# Altium PCB Carte_Mere_light.PcbDoc (part 2 of 3)
Units mm, origin at the board's own origin, x right, y up, seen from the top; angles counter-clockwise.
Board outline 100 x 70 mm, 4 copper layers (Top Copper, Ground Plane, Power Plane, Bottom Copper), stack 1.57 mm thick; 52 components, 347 nets, 458 pads, 0 vias.
Unrouted connection lines stored in the file: 262.
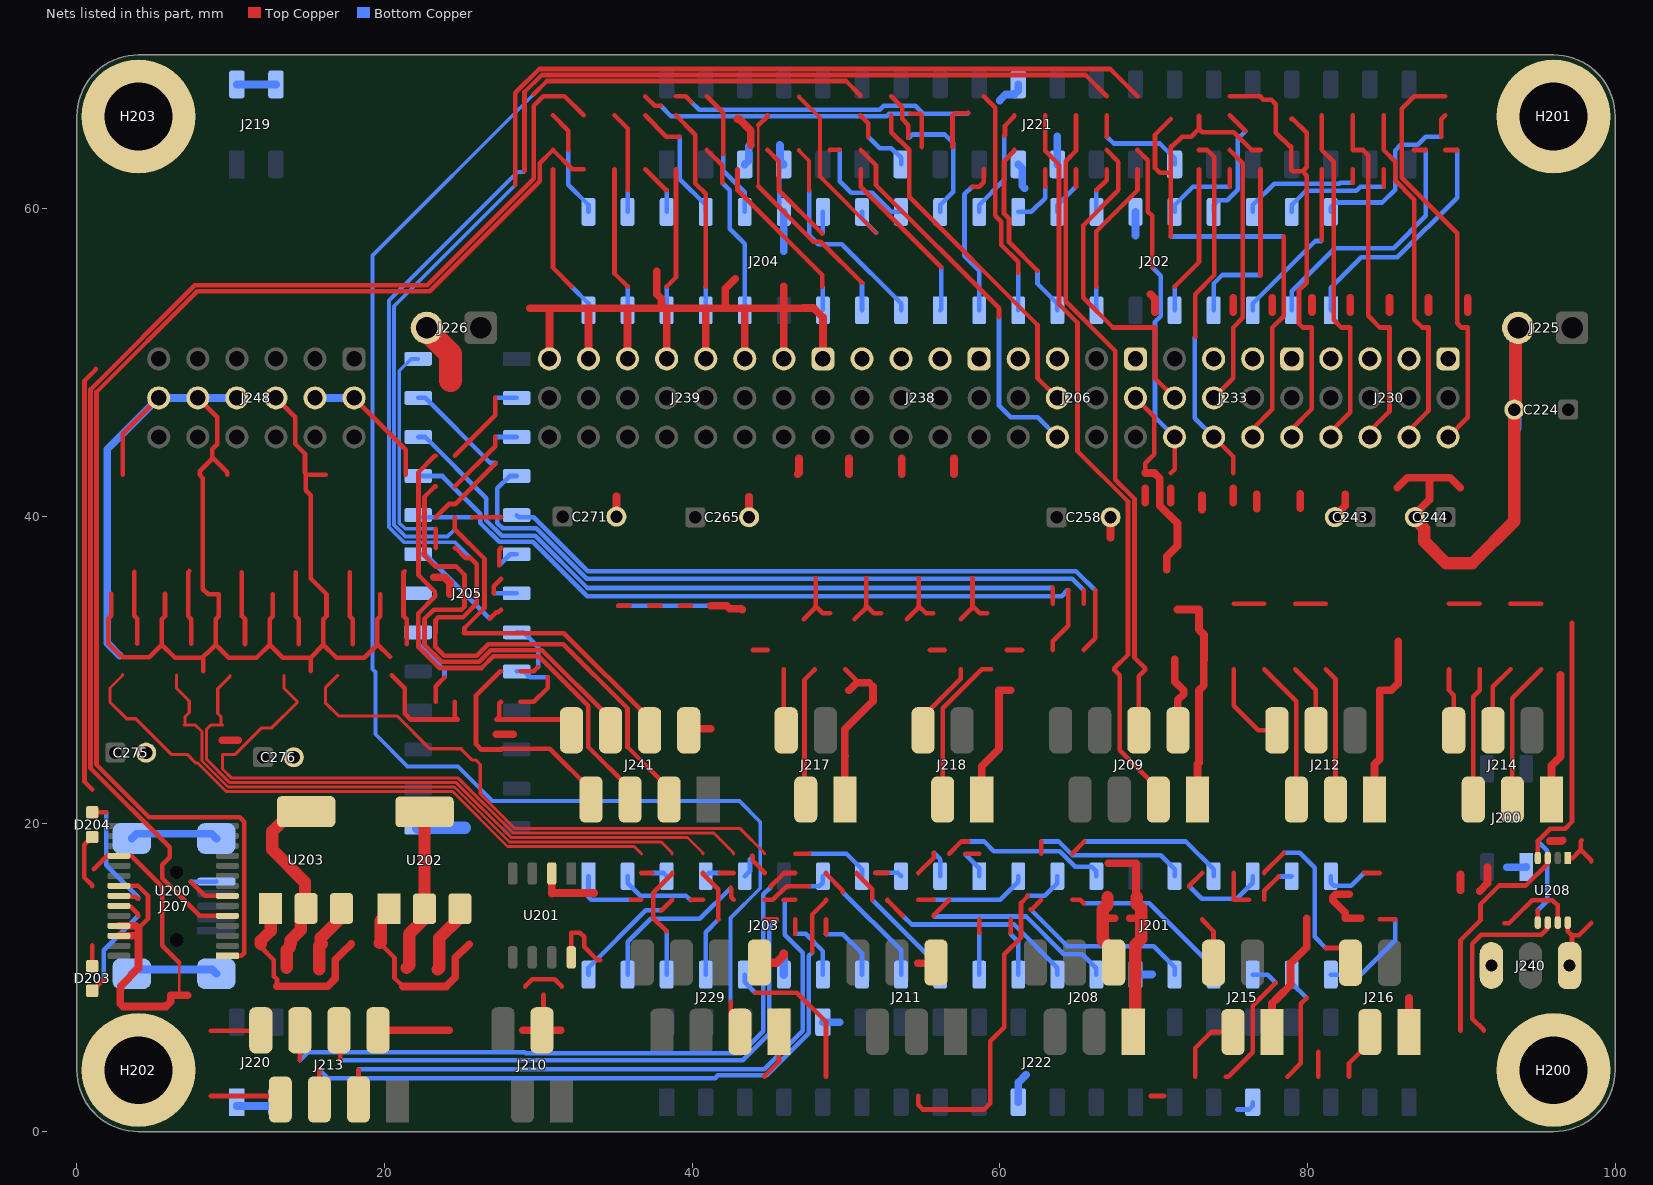
[diagram p4: the nets of this part, all layers, seen from the top]

## Nets (pads, with @x,y where several pads share a name; then routed paths per layer and width w, separated by ;. In a path a pad name is that pad's centre, name@x,y a point inside that pad or via, vN(x,y) a via of type N, cw(c..) or ccw(c..) an arc to the next point about the centre after c; other vN are vias at no path point) (continued)
CaptTOR_1: J241.3 | length 108.3
  Top Copper w0.3: 24.575,37.94 24.625,37.94 25.276,37.289 25.6,37.289 26,36.889 26,34.34 25.1,33.44 23.5,33.44 23.317,33.257 23.317,32.457 23.3,32.44 23.3,31.512 23.872,30.94 26,30.94 26.75,31.69 31.62,31.69 35.795,27.515 35.795,25.005 38.505,22.295 J241.3@38.505,21.59 ; 29.1,62.44 29.1,67.585 30.208,68.694 65.571,68.694 66.95,67.315
  Bottom Copper w0.25: 25.6,37.289 24.574,38.315 21.259,38.315 20.281,39.293 20.281,54.031 28.642,62.392 29.052,62.392 29.1,62.44
CaptTOR_2: J241.4 | length 101.6
  Top Copper w0.3: 24.575,39.94 24.575,39.161 26.5,37.236 26.5,34.04 25.2,32.74 25.2,32.44 ; 25.15,32.44 25.177,32.413 31.662,32.413 37.235,26.84 J241.4@37.235,26.09 ; 28.5,61.54 28.5,67.537 30.047,69.084 67.181,69.084 68.95,67.315
  Bottom Copper w0.25: 24.575,39.161 24.102,38.688 21.367,38.688 20.621,39.434 20.621,53.661 28.5,61.54
CaptTOR_3: J241.5 | length 34.1
  Top Copper w0.3: 23.25,35.126 22.21,36.166 22.21,42.875 23.275,43.94 23.325,43.94 ; 23.3,34.94 23.3,34.804 22.183,33.686 22.183,31.526 23.568,30.14 26.303,30.14 27.073,30.91 30.025,30.91 33.255,27.68 33.255,25.005 35.965,22.295 J241.5@35.965,21.59
CaptTOR_4: J241.6 | length 30.4
  Top Copper w0.3: 23.325,41.94 23.275,41.94 22.6,41.265 22.6,37.44 23.3,36.74 24.673,36.74 25.2,36.213 25.2,34.94 ; 25,34.74 25.2,34.94 ; J241.6@34.695,26.09 34.695,26.84 30.235,31.3 26.912,31.3 26.152,30.54 23.72,30.54 22.6,31.66 22.6,33.33 23.21,33.94 25,33.94 25.2,34.14 25.2,34.94
CaptTOR_5: J241.7 | length 14.8
  Top Copper w0.3: 27.575,29.94 27.525,29.94 25.95,28.365 25.95,25.19 26.3,24.84 27.579,24.84 27.598,24.859 27.598,24.89 30.75,24.89 33.425,22.215 J241.7@33.425,21.59
CaptTOR_6: J241.8 | length 6.5
  Top Copper w0.3: 27.255,26.79 31.572,26.79 32.155,26.207 J241.8@32.155,26.09 ; 27.265,26.79 27.463,26.988 27.463,27.838 27.575,27.95
CaptTOR_7:  | length 7.7
  Top Copper w0.3: 20.467,29.664 21.305,28.826 21.305,27.93 21.316,27.919 21.316,27.181 21.706,26.79 24.755,26.79 24.575,26.97 24.575,27.95
CaptTOR_8:  | length 35.9
  Top Copper w0.2: 16.967,29.664 16.155,28.852 16.155,27.93 16.155,27.88 17.018,27.017 20.823,27.017 22.95,24.89 24.996,24.89 24.996,24.849 25.678,24.167 25.923,24.167 26.223,23.867 26.223,21.956 28.479,19.7 43.115,19.7 44.7,18.115 44.7,18.065
CaptTOR_9:  | length 44.8
  Top Copper w0.2: 13.467,29.664 13.467,28.818 14.305,27.981 14.305,27.93 14.305,27.88 12.673,26.248 12.008,26.248 10.285,24.525 9.471,24.525 9.471,23.575 10.065,22.98 24.789,22.98 28.359,19.41 41.405,19.41 42.7,18.115 42.7,18.065
CaptTOR_10:  | length 41.7
  Top Copper w0.2: 9.967,29.664 9.967,29.614 9.155,28.802 9.155,27.93 9.155,27.185 9.382,26.958 9.382,26.513 9.471,26.425 9.382,26.425 8.685,26.425 8.42,26.16 8.42,24.215 9.945,22.69 24.669,22.69 28.239,19.12 39.695,19.12 40.7,18.115 40.7,18.065
CaptTOR_11:  | length 40.1
  Top Copper w0.2: 6.467,29.684 6.467,28.838 7.305,28.001 7.305,27.95 7.305,27.245 7.018,26.958 7.018,26.472 6.971,26.425 7.715,26.425 8.13,26.01 8.13,24.095 9.825,22.4 24.549,22.4 28.119,18.83 37.985,18.83 38.7,18.115 38.7,18.065
CaptTOR_12:  | length 40.7
  Top Copper w0.2: 2.967,29.704 2.967,29.654 2.155,28.842 2.155,27.97 2.155,27.92 3.235,26.84 3.827,26.84 6.142,24.525 7.166,24.525 7.715,23.976 7.839,23.976 9.705,22.11 24.429,22.11 27.999,18.54 36.225,18.54 36.7,18.065
DATA_DYNA: J240.1 U208.8 | length 4.6
  Top Copper w0.3: U208.8@96.925,13.59 96.925,13.015 97.175,12.765 ; J240.1@97.04,10.795 97.2,10.955 97.2,12.74 97.175,12.765 ; 98.45,13.565 97.65,12.765 97.175,12.765
DYNA_DIR: U208.4 U208.5 | length 22.6
  Top Copper w0.3: U208.5@94.975,13.59 94.975,14.39 ; U208.4@94.975,17.79 94.975,18.89 95.775,19.69 96.75,19.69 97.2,20.14 97.2,33.065
  Bottom Copper w0.3: 94.975,14.39 95.6,15.015 95.6,18.265 94.975,18.89
DYNA_RX: U208.3 | length 14.6
  Top Copper w0.3: 89.95,6.565 89.95,12.445 91.25,13.745 91.25,14.79 92.463,16.003 94.201,16.003 95.575,17.377 95.575,17.74 U208.3@95.625,17.79
DYNA_TX: U208.6 | length 11.6
  Top Copper w0.3: 91.45,6.565 91.45,6.615 90.718,7.347 90.718,12.209 91.308,12.799 95.197,12.799 95.575,13.177 95.575,13.54 U208.6@95.625,13.59
E5V: J221.5 | length 3.6
  Top Copper w0.5: 42.95,65.833 43.052,65.833 43.8,65.084 43.8,64.14
  Bottom Copper w0.5: J221.5@43.42,62.88 43.67,63.13 43.67,64.06 43.75,64.14 43.8,64.14
ENC_M1_A: J217.4 | length 4
  Top Copper w0.3: 45.96,30.065 45.96,26.244 J217.4@46.114,26.09
ENC_M1_B: J217.3 | length 8.9
  Top Copper w0.3: J217.3@47.302,21.44 47.302,29.367 47.95,30.015 47.95,30.065
ENC_M1_CLK1: J212.3 | length 8.7
  Top Copper w0.3: 81.2,30.065 81.819,29.446 J212.3@81.819,21.59
ENC_M1_CLK2: J212.5 | length 9.3
  Top Copper w0.3: 77.2,30.065 79.279,27.986 J212.5@79.279,21.59
ENC_M1_DAT1: J212.4 | length 4.5
  Top Copper w0.3: 79.2,30.065 80.549,28.716 J212.4@80.549,26.09
ENC_M1_DAT2: J212.6 | length 5.8
  Top Copper w0.3: 75.2,30.065 75.2,27.69 76.8,26.09 J212.6@78.009,26.09
ENC_M2_A: J218.4 | length 5
  Top Copper w0.3: J218.4@55.014,26.09 55.014,27.004 57.45,29.44 57.45,30.065
ENC_M2_B: J218.3 | length 10.2
  Top Copper w0.3: J218.3@56.284,21.59 56.284,27.524 58.825,30.065 59.45,30.065
ENC_M2_CLK1: J214.3 | length 9.3
  Top Copper w0.3: J214.3@93.319,21.59 93.319,28.184 95.2,30.065
ENC_M2_CLK2: J214.5 | length 8.6
  Top Copper w0.3: J214.5@90.779,21.59 90.779,28.269 91.2,28.69 91.2,30.065
ENC_M2_DAT1: J214.4 | length 4.5
  Top Copper w0.3: J214.4@92.049,26.09 92.049,28.914 93.2,30.065
ENC_M2_DAT2: J214.6 | length 4.1
  Top Copper w0.3: 89.2,30.065 89.2,28.69 89.509,28.381 J214.6@89.509,26.09
ENC_P1_A: J215.4 | length 3.1
  Top Copper w0.3: 73.15,13.815 73.15,13.765 73.89,13.025 J215.4@73.89,10.98
ENC_P1_B: J215.3 | length 4.8
  Top Copper w0.3: 72.7,3.565 72.7,5.44 73.74,6.48 J215.3@75.16,6.48
ENC_P2_A: J216.4 | length 12.1
  Top Copper w0.3: 77.2,16.815 77.2,16.865 78.45,18.115 78.45,18.14 ; 81.2,11.94 82.45,11.94 82.895,11.495 J216.4@82.895,11.085
  Bottom Copper w0.3: 78.45,18.14 79.5,18.14 80.477,17.163 80.477,12.663 81.2,11.94
ENC_P2_B: J216.3 | length 3.5
  Top Copper w0.3: 82.7,3.565 82.7,4.44 84.06,5.8 J216.3@84.06,6.48
EXT_IO_1: J230.3 | length 27
  Top Copper w0.3: 88.95,67.315 86.95,67.315 86.13,66.495 86.13,62.01 89.725,58.415 89.725,52.565 90.01,52.28 90.41,52.28 90.41,46.43 J230.3@89.14,45.16
EXT_IO_2: J230.6 | length 22.9
  Top Copper w0.3: 84.95,66.065 84.95,63.815 85.7,63.065 85.7,61.84 86.95,60.59 86.95,52.78 87.45,52.28 87.87,52.28 87.87,46.86 86.6,45.59 J230.6@86.6,45.16
EXT_IO_3: J230.9 | length 23.2
  Top Copper w0.3: 82.95,66.065 82.95,63.815 83.613,63.815 83.95,63.478 83.95,53.03 84.7,52.28 85.33,52.28 85.33,46.82 84.06,45.55 J230.9@84.06,45.16
EXT_IO_4: J230.12 | length 22.5
  Top Copper w0.3: 80.93,66.065 80.93,63.815 81.7,63.045 81.7,52.78 82.2,52.28 82.79,52.28 82.79,46.78 81.52,45.51 J230.12@81.52,45.16
EXT_IO_5: J233.3 | length 31.5
  Top Copper w0.3: 74.95,67.315 76.95,67.315 76.95,67.265 77.125,67.09 77.662,67.09 77.95,66.802 77.95,64.946 78.848,64.047 78.95,64.047 78.95,62.513 ; 78.95,65.833 79.052,65.833 79.95,64.934 79.95,62.69 79.683,62.423 ; J233.3@78.98,45.16 78.98,45.67 80.29,46.98 80.29,52.28 79.7,52.28 79.45,52.53 79.45,54.69 79.95,55.19 79.95,62.156 79.683,62.423 ; 79.04,62.423 79.683,62.423
EXT_IO_6: J233.6 | length 39.5
  Top Copper w0.3: 71.106,58.19 71.106,62.333 ; 71.106,65.833 70.09,64.817 70.09,62.65 70.408,62.333 71.106,62.333 ; 72.95,66.036 72.95,65.19 ; J233.6@76.44,45.16 76.44,45.68 77.71,46.95 77.71,52.28 78.45,53.02 78.45,58.19 ; 76.95,63.815 76.375,63.815 75.218,64.972 73.168,64.972 72.95,65.19 ; 71.106,62.333 71.106,64.047 71.208,64.047 71.85,64.69 72.45,64.69 72.95,65.19
  Bottom Copper w0.3: 71.106,58.19 78.45,58.19
EXT_IO_7: J233.8 | length 17.3
  Top Copper w0.3: J233.8@73.9,47.7 75.17,48.97 75.17,52.28 75.8,52.91 75.8,62.965 74.95,63.815
EXT_IO_8: J233.9 | length 23.3
  Top Copper w0.3: 72.7,51.69 72.7,54.44 73.95,55.69 73.95,63.362 73.497,63.815 72.95,63.815 ; J233.9@73.9,45.16 75.17,43.89 75.17,42.82
  Bottom Copper w0.3: 72.7,51.69 72.67,51.66 72.67,46.39 J233.9@73.9,45.16
EXT_IO_9: J233.11 | length 21.4
  Top Copper w0.3: 66.95,63.815 67.7,63.065 67.7,61.19 65.418,58.908 65.418,54.222 67.36,52.28 70.09,52.28 70.09,48.97 J233.11@71.36,47.7
EXT_IO_10: J233.12 | length 22.4
  Top Copper w0.3: 68.95,63.815 69.625,63.14 69.625,59.805 69.9,59.53 69.9,56.19 ; 71.106,42.82 71.36,43.074 J233.12@71.36,45.16
  Bottom Copper w0.3: 69.9,56.19 70.45,55.64 70.45,53.005 70.09,52.645 70.09,46.43 J233.12@71.36,45.16
FPGA_Rx: J206.9 | length 25
  Top Copper w0.3: 50.95,63.815 51.95,62.815 51.95,61.529 59.95,53.529 59.95,52.94
  Bottom Copper w0.3: 59.95,52.94 59.95,47.19 60.7,46.44 62.46,46.44 J206.9@63.74,45.16
FPGA_Tx: J206.8 | length 22.8
  Top Copper w0.3: 52.938,66.065 52.938,64.984 54.1,63.822 54.1,60.79 62.45,52.44 62.45,48.99 J206.8@63.74,47.7
FT232_Rx: U200.5 | length 82.6
  Top Copper w0.3: U200.5@9.78,14.03 7.984,14.03 5.54,16.474 5.54,17.342 6.027,17.829 6.027,18.479 0.888,23.619 0.888,48.244 7.666,55.022 22.777,55.022 29.7,61.945 29.7,66.69 30.325,67.315 30.95,67.315 31.7,67.315 32.95,66.065
FT232_Tx: U200.1 | length 84.5
  Top Copper w0.3: U200.1@9.78,11.43 10.7,11.43 10.88,11.61 10.88,20.143 10.593,20.43 4.687,20.43 1.278,23.84 1.278,48.082 7.827,54.632 22.938,54.632 30.09,61.783 30.09,62.955 30.95,63.815 32.2,62.565 32.95,62.565
GND: C224.2 C243.2 C244.2 C258.2 C265.2 C271.2 C275.2 C276.2 H200.1 H201.1 H202.1 H203.1 J200.1 J201.10 J202.12 J203.12 J204.10 J205.26 J206.1 J206.7 J206.10 J207.5 J207.S1 J207.S2 J207.S3 J207.S4 J208.2 J209.2 J210.2 J211.2 J212.1 J213.2 J214.1 J215.1 J216.1 J217.1 J218.1 J219.2 J219.4 J220.1 J220.3 J221.7 J221.19 J221.20 J221.21 J222.10 J222.19 J222.31 J225.2 J226.2 J229.2 J230.1 J230.4 J230.7 J230.10 J233.1 J233.4 J233.7 J238.1 J238.4 J238.7 J238.10 J239.1 J239.4 J239.7 J239.10 J239.13 J239.16 J239.19 J239.22 J240.3 J241.2 J248.2 J248.5 J248.8 J248.11 J248.14 J248.17 U200.7 U200.18 U200.21 U200.25 U200.26 U201.2 U201.8 U202.1 U203.1 U208.7 | length 501.6
  Top Copper w0.15: 6.645,8.859 6.645,10.969
  Top Copper w0.3: 1,22.24 0.498,22.743 0.498,48.808 1.238,49.549 1.238,49.603 ; 1.095,17.059 1.966,17.93 U200.18@2.73,17.93 3.532,17.93 5.54,15.922 5.54,12.074 6.645,10.969 ; 2.23,34.97 2.23,33.545 2.028,33.342 2.028,31.736 2.805,30.959 2.868,30.959 2.991,30.836 4.697,30.836 5.527,31.666 ; U200.21@2.73,15.98 3.972,15.98 4.625,15.327 4.625,13.829 4,13.204 ; 2.98,42.7 2.98,45.36 J248.17@5.32,47.7 ; 5.73,34.95 5.73,33.525 5.527,33.323 5.527,31.716 5.527,31.666 ; 7.4,16.24 8.31,15.33 U200.7@9.78,15.33 ; J248.14@7.86,47.7 9.115,46.445 9.115,44.675 8.805,44.365 8.805,43.835 9.78,42.86 9.78,42.7 ; 8.221,29.95 8.221,30.889 ; 8.805,43.755 7.98,42.93 7.98,42.7 8.19,42.49 8.19,35.27 8.53,34.93 9.23,34.93 9.23,33.505 9.028,33.302 9.028,31.696 9.028,31.646 ; 11.95,12.011 12.8,11.161 12.8,10.102 13.007,9.895 13.007,9.461 ; 12.73,34.93 12.73,33.505 12.528,33.302 12.528,31.696 12.528,31.646 ; J248.8@13.12,47.7 13.12,47.52 14.195,46.445 14.195,44.706 14.83,44.071 14.83,42.85 ; 15.127,30.796 13.378,30.796 12.528,31.646 ; 15.2,29.95 15.2,30.819 16.028,31.646 ; 16.18,42.7 14.88,42.7 14.88,41.695 15.2,41.374 15.2,35.96 16.23,34.93 16.23,33.505 16.028,33.303 16.028,31.696 16.028,31.646 ; 17.812,12.211 17.827,12.196 ; J248.2@18.23,47.7 18.23,47.49 21.38,44.34 21.38,42.7 ; 19.698,12.262 20.65,11.31 20.65,9.99 21.2,9.44 ; 19.73,34.93 19.73,33.505 19.528,33.303 19.528,31.696 ; 20.355,30.869 19.528,31.696 ; J210.2@30.235,6.59 30.335,6.69 30.335,8.91 ; U201.8@32.14,11.33 32.14,12.94 32.7,12.94 32.975,12.665 32.975,12.02 33.835,11.16 34.035,11.16 ; 35.2,34.19 35.95,34.19 ; 37.2,34.19 37.95,34.19 ; 39.2,34.19 39.95,34.19 ; 43.95,31.315 44.9,31.315 ; 47.25,33.315 48.038,34.103 48.038,34.152 ; 48.026,35.96 48.026,34.216 48,34.19 48.038,34.152 ; 48.976,33.69 48.5,33.69 48.038,34.152 ; 49.95,30.065 50.825,29.19 51.5,29.19 51.75,28.94 ; 50.55,33.315 51.338,34.103 51.338,34.152 ; 51.326,35.96 51.326,34.216 51.3,34.19 51.338,34.152 ; 52.276,33.69 52.2,33.69 51.8,33.69 51.338,34.152 ; 53.95,33.315 54.738,34.103 54.738,34.152 ; 54.726,35.96 54.726,34.216 54.7,34.19 54.738,34.152 ; 55.45,31.315 56.4,31.315 ; 55.676,33.69 55.2,33.69 54.738,34.152 ; 57.45,33.315 58.238,34.103 58.238,34.152 ; 58.226,35.96 58.226,34.216 58.2,34.19 58.238,34.152 ; 59.176,33.69 58.7,33.69 58.238,34.152 ; 60.45,31.315 61.45,31.315 ; 69.8,2.315 70.7,2.315 ; 75.2,16.815 75.2,16.44 75.2,15.065 76.2,15.065 ; 75.2,34.315 76.2,34.315 77.2,34.315 ; 79.2,34.315 80.2,34.315 81.2,34.315 ; 80.7,3.565 80.7,5.19 ; 89.2,34.315 90.2,34.315 91.2,34.315 ; 92.8,13.54 93.1,13.54 93.45,13.89 94.6,15.04 95.921,15.04 96.221,14.74 96.275,14.74 U208.7@96.275,13.59 ; 93.2,34.315 94.2,34.315 95.2,34.315 ; 5.527,31.666 6.378,30.816 8.148,30.816 8.221,30.889 ; 8.221,30.889 8.432,31.1 8.482,31.1 9.028,31.646 ; 9.028,31.646 9.878,30.796 11.678,30.796 12.528,31.646 ; 16.028,31.646 16.878,30.796 18.678,30.796 19.528,31.646 19.528,31.696
  Top Copper w0.5: U200.26@2.73,12.73 3.99,12.73 ; U200.25@2.73,13.38 3.824,13.38 4,13.204 4,10.614 2.845,9.459 2.845,9.259 2.812,9.226 2.812,8.328 3,8.14 5.795,8.14 6.095,8.44 6.095,8.859 6.645,8.859 7.195,8.859 ; 9.47,25.44 10.5,25.44 ; 11.95,12.011 11.95,12.211 ; 13.007,9.461 16.307,9.461 16.8,9.954 16.8,10.54 16.8,11.168 17.293,11.661 17.827,12.196 ; J213.2@19.575,6.59 22.1,6.59 24.2,6.59 ; 21.2,9.44 24.007,9.44 24.6,10.033 24.6,10.54 24.6,11.293 25.498,12.191 ; 23.2,36.04 23.9,36.04 24.25,35.69 24.25,34.94 ; 27.255,25.84 28.35,25.84 28.352,25.842 ; 29,6.59 J210.2@30.235,6.59 31.45,6.59 ; 29.45,53.53 30.72,53.53 ; J239.22@30.72,50.24 30.72,53.53 ; 30.87,15.47 30.87,15.51 ; U201.2@30.87,16.78 30.87,15.515 30.87,15.51 ; J239.19@33.26,50.24 33.26,53.49 ; 33.635,15.51 30.87,15.51 ; C271.2@35.076,39.98 35.076,41.305 ; J239.16@35.8,50.24 35.8,53.43 ; 37.7,55.94 37.7,54.44 38,54.14 38,53.54 ; J239.13@38.34,50.24 38.34,53.49 ; J241.2@39.775,26.09 39.875,26.19 41.2,26.19 ; J239.10@40.88,50.24 40.88,53.53 ; 41.2,34.19 41.95,34.19 42.255,34.19 42.449,33.997 43.193,33.997 43.25,33.94 ; 42.8,55.44 42.15,54.79 42.15,53.53 ; J239.7@43.42,50.24 43.42,53.53 ; C265.2@43.7,39.94 43.7,41.265 ; J239.4@45.96,50.24 45.96,53.53 ; 45.96,54.94 45.96,53.53 ; 46.867,42.755 46.95,42.838 46.95,43.774 ; J239.1@48.5,50.24 48.5,52.94 47.9,53.54 47.24,53.54 47.23,53.53 45.96,53.53 ; J217.1@49.924,21.59 49.924,24.44 ; 49.95,24.44 49.924,24.44 ; 50.2,28.69 50.7,29.19 51.5,29.19 ; 50.2,42.755 50.2,43.774 ; 51.75,28.94 51.75,27.99 49.924,26.164 49.924,24.44 ; 53.623,42.755 53.623,43.774 ; 54.671,10.94 55.8,10.94 J211.2@55.85,10.99 ; 57.027,42.755 57.027,43.774 ; J218.1@58.824,21.59 58.824,23.759 59.7,24.635 59.95,24.885 59.95,28.69 60.7,28.69 ; 66.7,13.865 67.45,13.865 ; 67.2,38.615 C258.2@67.2,39.94 ; 69.45,40.89 69.45,41.82 ; 69.8,54.44 70.09,54.15 70.09,53.28 ; 71.106,40.89 71.106,41.82 ; 71.375,30.69 71.375,29.265 71.95,28.69 71.95,28.44 71.575,28.065 J209.2@71.575,26.09 ; 73.138,40.44 73.138,41.37 ; 75.17,40.89 75.17,41.82 ; 75.17,53.28 75.17,54.21 ; 76.694,40.486 76.694,41.416 ; J215.1@77.7,6.48 77.7,8.34 78.05,8.69 78.9,9.54 78.9,10.94 79.95,11.99 79.95,13.865 ; 77.71,53.28 77.71,54.21 ; 79.53,40.52 79.53,41.45 ; 80.29,53.28 80.29,54.21 ; C243.2@81.78,39.95 81.78,40.02 82.45,40.69 82.45,41.44 ; 82.7,15.44 81.85,15.44 81.65,15.24 81.65,15.04 82.45,14.24 82.45,13.865 83.45,13.865 ; 82.79,53.28 82.79,54.21 ; J212.1@84.359,21.59 84.359,23.885 84.7,24.226 84.7,28.69 85.45,28.69 85.9,29.14 85.9,30.69 85.9,31.89 ; 85.33,53.28 85.33,54.21 ; 85.83,41.85 86.48,42.5 87.23,42.5 87.93,42.5 ; J216.1@86.6,6.48 86.6,8.69 ; C244.2@86.98,39.95 86.98,40.12 87.93,41.07 87.93,42.5 ; 87.87,53.28 87.87,54.21 ; 89.93,41.85 89.28,42.5 88.63,42.5 87.93,42.5 ; 89.95,15.69 89.95,16.74 ; 90.41,53.28 90.41,54.21 ; 91.2,15.64 91.7,16.14 91.7,17.19 ; 95.75,18.89 96.525,18.89 96.575,18.94 ; J214.1@95.859,21.59 95.859,23.794 96.155,24.09 96.45,24.385 96.45,28.69 96.45,29.69 ; 30.72,53.53 31.99,53.53 34.53,53.53 37.07,53.53 39.61,53.53 40.88,53.53 ; 40.88,53.53 42.15,53.53 ; 42.15,53.53 43.42,53.53 ; 43.42,53.53 44.69,53.53 45.96,53.53
  Top Copper w0.56: J229.2@44.375,10.99 45.5,10.99 45.96,11.45 45.96,11.575
  Top Copper w0.8: 11.95,12.211 11.95,12.411 12.6,13.061 U203.1@12.6,14.51 ; 19.698,12.262 19.748,12.312 19.748,13.688 20.3,14.24 U202.1@20.3,14.49 ; 67,15.24 67,14.74 66.7,14.44 66.7,13.865 66.7,12.445 67.405,11.74 J208.2@67.405,10.99 ; C244.2@86.98,39.95 86.98,39.815 87.6,39.195 87.6,38.361 89.011,36.95 90.71,36.95 93.45,39.69 93.45,46.844 93.546,46.94 93.546,52.106 J225.2@93.7,52.26
  Top Copper w1.5: J226.2@22.75,52.26 22.75,52.098 24.3,50.548 24.3,48.84
  Bottom Copper w0.3: 7.4,16.259 7.409,16.249 9.06,16.249 J207.5@9.07,16.259 ; 35.2,34.19 37.2,34.19 39.2,34.19 41.2,34.19 ; J204.10@45.96,59.79 45.673,60.077 45.673,62.593 J221.7@45.96,62.88 ; 75.45,1.44 76.2,1.44 76.44,1.68 J222.31@76.44,1.92
  Bottom Copper w0.5: 2.796,30.95 1.98,31.766 1.98,44.36 J248.17@5.32,47.7 J248.14@7.86,47.7 J248.11@10.4,47.7 J248.11@10.58,47.7 ; J207.S4@3.57,10.259 3.851,10.54 5.95,10.54 8.789,10.54 J207.S1@9.07,10.259 ; J207.S3@3.57,19.059 3.878,19.367 7.2,19.367 8.762,19.367 J207.S2@9.07,19.059 ; J220.1@10.4,1.67 J220.3@12.94,1.67 ; J219.2@10.4,68.08 11.7,68.08 J219.4@12.94,68.08 ; J248.5@15.66,47.7 J248.2@18.02,47.7 J248.2@18.23,47.7 ; 45.7,64.14 45.71,64.13 45.71,63.13 J221.7@45.96,62.88 ; 45.95,57.24 45.95,59.78 J204.10@45.96,59.79 ; J222.10@48.5,7.12 49.6,7.12 ; 60,67.04 60.39,67.43 60.95,67.43 61.2,67.68 J221.20@61.2,68.08 ; J222.19@61.2,1.92 61.2,3.19 61.7,3.69 ; J221.19@61.2,62.88 61.45,62.63 61.45,61.49 61.6,61.34 ; J221.21@63.74,62.88 63.74,64.69 ; J201.10@68.82,10.21 69.87,10.21 69.9,10.24 ; 68.82,58.26 J202.12@68.82,59.79 ; 92.95,17.19 94.21,17.19 J200.1@94.22,17.2
  Bottom Copper w0.56: J203.12@45.96,10.21 45.96,11.575
  Bottom Copper w0.8: J205.26@22.186,19.76 25.23,19.76 ; 93.5,45.74 93.5,46.89 C224.2@93.45,46.94 93.546,47.036 93.546,52.106 J225.2@93.7,52.26
GPIO_00_D3: J202.2 | length 12.4
  Top Copper w0.3: 88.7,64.69 88.7,65.815 88.95,66.065
  Bottom Copper w0.3: J202.2@81.52,59.79 81.52,60.105 81.82,60.405 84.865,60.405 85.7,61.24 85.7,63.787 86.076,64.163 87.168,64.163 87.695,64.69 88.7,64.69
GPIO_0_IN0_A8: J202.1 | length 16
  Top Copper w0.3: 88.95,63.815 89.725,63.815
  Bottom Copper w0.3: J202.1@81.52,53.39 81.52,54.86 83.5,56.84 85.85,56.84 89.725,60.715 89.725,63.815
GPIO_0_IN1_B8: J202.3 | length 17.1
  Top Copper w0.3: 86.92,63.815 87.7,63.815
  Bottom Copper w0.3: J202.3@78.98,53.39 78.98,54.643 81.777,57.44 85.6,57.44 87.7,59.54 87.7,63.815
GPIO_01_C3: J202.4 | length 8
  Top Copper w0.3: 84.95,61.44 84.95,62.565
  Bottom Copper w0.3: J202.4@78.98,59.79 78.98,60.24 79.903,61.163 83.168,61.163 83.445,61.44 84.95,61.44
GPIO_1_IN0_T9: J203.1 | length 4.9
  Top Copper w0.3: 36,15.065 36.7,15.065
  Bottom Copper w0.3: J203.1@33.26,16.61 33.26,15.24 33.435,15.065 36,15.065
GPIO_1_IN1_R9: J203.3 | length 5.8
  Top Copper w0.3: 39.9,15.065 40.7,15.065
  Bottom Copper w0.3: J203.3@35.8,16.61 35.8,16.16 36.62,15.34 39.6,15.34 39.9,15.04
GPIO_02_A2: J202.5 | length 11.3
  Top Copper w0.3: 80.93,57.94 80.93,62.565
  Bottom Copper w0.3: J202.5@76.44,53.39 76.44,53.84 80.502,57.902 80.892,57.902 80.93,57.94
GPIO_2_IN0_E15: J205.2 | length 15.2
  Top Copper w0.3: 23.325,37.94 23.325,39.19
  Bottom Copper w0.25: J205.2@22.186,50.24 21.736,50.24 20.961,49.465 20.961,39.574 21.345,39.19 23.325,39.19
GPIO_2_IN1_E16: J205.3 | length 6.2
  Top Copper w0.3: 24.575,43.94 27.2,46.565 27.2,47.7
  Bottom Copper w0.3: 27.2,47.7 J205.3@28.586,47.7
GPIO_2_IN2_M16: J205.4 | length 12.2
  Top Copper w0.3: 23.325,39.94 24.185,40.8 24.592,40.8 27.232,43.44
  Bottom Copper w0.3: J205.4@22.186,47.7 22.636,47.7 26.858,43.478 27.194,43.478 27.232,43.44
GPIO_03_A3: J202.6 | length 8.4
  Top Copper w0.3: 82.95,61.69 82.95,62.565
  Bottom Copper w0.3: J202.6@76.44,59.79 76.44,60.24 77.83,61.63 82.077,61.63 82.137,61.69 82.95,61.69
GPIO_04_B3: J202.7 | length 11.9
  Top Copper w0.3: 76.95,55.69 76.95,62.565
  Bottom Copper w0.3: J202.7@73.9,53.39 73.9,55.14 74.45,55.69 76.95,55.69
GPIO_05_B4: J202.8 | length 7.9
  Top Copper w0.3: 74.95,66.065 75.95,65.065
  Bottom Copper w0.3: J202.8@73.9,59.79 73.9,60.24 74.2,60.54 74.795,60.54 75.477,61.222 75.477,64.548 75.95,65.021 75.95,65.065
GPIO_06_A4: J202.9 | length 9.8
  Top Copper w0.3: 71.36,54.94 72.95,56.53 72.95,62.565
  Bottom Copper w0.3: J202.9@71.36,53.39 71.36,54.94
GPIO_07_B5: J202.10 | length 5.7
  Top Copper w0.3: 74.95,61.44 74.95,62.565
  Bottom Copper w0.3: J202.10@71.36,59.79 71.36,60.24 72.56,61.44 74.95,61.44
GPIO_08_A5: J202.13 | length 10.3
  Top Copper w0.3: 66.28,54.94 66.28,58.52 68.95,61.19 68.95,62.565
  Bottom Copper w0.3: 66.28,54.94 66.28,53.44 J202.13@66.33,53.39
GPIO_09_D5: J202.14 | length 3.1
  Top Copper w0.3: 66.28,61.19 66.95,61.86 66.95,62.565
  Bottom Copper w0.3: J202.14@66.28,59.79 66.28,61.19
GPIO_010_B6: J202.15 | length 12.1
  Top Copper w0.3: 60.95,63.815 60.95,63.765 60.275,63.09 60.275,59.665 60.6,59.34 60.6,57.82 62.45,55.97
  Bottom Copper w0.3: 62.45,55.97 62.45,55.13 63.74,53.84 J202.15@63.74,53.39
GPIO_10_F13: J203.2 | length 7.7
  Top Copper w0.3: 38,14.39 38.025,14.39 38.7,15.065
  Bottom Copper w0.3: J203.2@33.26,10.21 33.26,10.66 36.99,14.39 38,14.39
GPIO_011_A6: J202.16 | length 3.3
  Top Copper w0.3: 64.95,61.44 64.95,62.565
  Bottom Copper w0.3: J202.16@63.74,59.79 63.74,60.235 64.945,61.44 64.95,61.44
GPIO_11_T15: J203.4 | length 11.1
  Top Copper w0.3: 42.5,15.84 42.538,15.802 42.538,15.227 42.7,15.065
  Bottom Copper w0.3: J203.4@35.8,10.21 35.8,12.34 37.3,13.84 40.5,13.84 42.5,15.84
GPIO_012_B7: J202.17 | length 14.9
  Top Copper w0.3: 58.95,67.315 59.7,66.565 59.7,59.54 60.1,59.14 60.1,57.643 61.2,56.543 61.2,55.84
  Bottom Copper w0.3: J202.17@61.2,53.39 61.2,54.29 61.2,55.84
GPIO_12_T14: J203.5 | length 1.7
  Top Copper w0.3: 36.7,16.815 37.4,16.815
  Bottom Copper w0.3: 37.4,16.815 38.135,16.815 J203.5@38.34,16.61
GPIO_013_D6: J202.18 | length 4
  Top Copper w0.3: 62.95,61.44 62.95,62.565
  Bottom Copper w0.3: J202.18@61.2,59.79 62.05,59.79 62.95,60.69 62.95,61.44
GPIO_13_T13: J203.6 | length 7.5
  Top Copper w0.3: 38.34,13.018 37.473,13.885 37.473,15.538 38.7,16.765 38.7,16.815
  Bottom Copper w0.3: J203.6@38.34,10.21 38.34,13.018
GPIO_014_A7: J202.19 | length 10.4
  Top Copper w0.3: 58.2,61.44 58.66,61.44 58.95,61.73 58.95,62.565
  Bottom Copper w0.3: 58.2,61.44 57.7,60.94 57.7,56.94 58.66,55.98 J202.19@58.66,53.39
GPIO_14_R13: J203.7 | length 1.9
  Top Copper w0.3: 41.8,16.815 42.7,16.815
  Bottom Copper w0.3: J203.7@40.88,16.61 41.085,16.815 41.8,16.815
GPIO_015_C6: J202.20 | length 7.2
  Top Copper w0.3: 60.3,64.74 60.338,64.778 60.338,65.403 60.95,66.015 60.95,66.065
  Bottom Copper w0.3: J202.20@58.66,59.79 58.66,60.24 60.3,61.88 60.3,64.74
GPIO_15_T12: J203.8 | length 7.4
  Top Copper w0.3: 40.7,16.815 40.7,16.765 41.7,15.765 41.7,13.79
  Bottom Copper w0.3: J203.8@40.88,10.21 40.88,12.97 41.7,13.79
GPIO_016_C8: J204.1 | length 11.4
  Top Copper w0.3: 50.95,62.565 50.95,61.44 56.2,56.19
  Bottom Copper w0.3: J204.1@56.12,53.39 56.2,53.47 56.2,56.19
GPIO_16_R12: J203.9 | length 3
  Top Copper w0.3: 43.902,17.94 43.94,17.902 43.94,17.625 44.7,16.865 44.7,16.815
  Bottom Copper w0.3: J203.9@43.42,16.61 43.758,16.948 43.758,17.701 43.902,17.845 43.902,17.94
GPIO_017_E6: J204.2 | length 11.2
  Top Copper w0.3: 52.938,67.315 53.65,66.603 53.65,65.843 54.058,65.435 54.058,64.621
  Bottom Copper w0.3: 54.058,64.621 54.112,64.621 54.318,64.827 56.413,64.827 56.97,64.27 56.97,61.09 56.12,60.24 J204.2@56.12,59.79
GPIO_018_E7: J204.3 | length 14.1
  Top Copper w0.25: 46.95,63.815 46.95,63.765 47.6,63.115 47.6,61.19
  Bottom Copper w0.3: 47.6,61.19 47.6,58.29 48.2,57.69 49.73,57.69 53.58,53.84 J204.3@53.58,53.39
GPIO_18_T10: J203.13 | length 4.7
  Top Copper w0.3: 44.7,15.065 45.24,15.065 46.14,15.965 47.6,15.965
  Bottom Copper w0.3: 47.6,15.965 48.273,15.965 48.5,16.192 J203.13@48.5,16.61
GPIO_019_D8: J204.4 | length 7.5
  Top Copper w0.3: 48.95,63.815 48.975,63.84 49.6,63.84
  Bottom Copper w0.3: 49.6,63.84 49.6,61.79 50.35,61.04 51.7,61.04 52.95,59.79 J204.4@53.58,59.79
GPIO_19_R11: J203.14 | length 4.7
  Top Copper w0.3: 46.7,12.865 46.7,13.815
  Bottom Copper w0.3: 46.7,12.865 47.38,12.865 48.5,11.745 J203.14@48.5,10.21
GPIO_20_A14: J205.5 | length 5.7
  Top Copper w0.3: 24.575,41.94 27.2,44.565 27.2,45.16
  Bottom Copper w0.3: 27.2,45.16 J205.5@28.586,45.16
GPIO_020_E8: J204.5 | length 16
  Top Copper w0.15: 44.3,61.451 44.3,65.415
  Top Copper w0.3: 44.3,61.451 47.888,57.863 48.367,57.863 51.04,55.19 ; 44.3,65.415 44.9,66.015 44.9,66.065
  Bottom Copper w0.3: J204.5@51.04,53.39 51.04,55.19
GPIO_21_B16: J205.6 | length 47.2
  Top Copper w0.3: 63.45,34.315 63.45,35.34
  Bottom Copper w0.3: J205.6@22.186,45.16 22.636,45.16 26.617,41.179 26.617,39.732 27.619,38.73 29.807,38.73 33.197,35.34 63.45,35.34
GPIO_021_F8: J204.6 | length 12.7
  Top Copper w0.25: 46.95,67.315 46.95,67.265 48.3,65.915 48.3,62.09 51.95,58.44
  Bottom Copper w0.3: J204.6@51.04,59.79 51.04,59.35 51.95,58.44
GPIO_22_C14: J205.7 | length 44.6
  Top Copper w0.3: 65.45,34.315 65.45,35.19
  Bottom Copper w0.3: J205.7@28.586,42.62 28.136,42.62 27.336,41.82 27.336,39.564 27.68,39.22 29.868,39.22 33.148,35.94 64.7,35.94 65.45,35.19
GPIO_022_F9: J204.7 | length 11.5
  Top Copper w0.3: 42.95,62.565 42.95,61.19 48.45,55.69 48.45,54.94
  Bottom Copper w0.3: 48.45,54.94 48.5,54.89 J204.7@48.5,53.39
GPIO_23_C16: J205.8 | length 50.3
  Top Copper w0.3: 63.45,31.315 63.45,31.89 64.45,32.89 64.45,35.19
  Bottom Copper w0.3: J205.8@22.186,42.62 23.765,42.62 26.227,40.158 26.227,39.57 27.457,38.34 29.645,38.34 33.172,34.813 64.019,34.813 64.396,35.19 64.45,35.19
GPIO_023_E9: J204.8 | length 8.3
  Top Copper w0.3: 44.9,63.815 45.627,63.088 45.627,61.213 48.45,58.39
  Bottom Copper w0.3: 48.45,58.39 48.5,58.44 J204.8@48.5,59.79
GPIO_024_C9: J204.11 | length 11.4
  Top Copper w0.3: 40.95,63.815 41.95,62.815 41.95,61.69
  Bottom Copper w0.3: 41.95,61.69 42.45,61.19 42.45,58.69 43.42,57.72 J204.11@43.42,53.39
GPIO_24_C15: J205.9 | length 43.8
  Top Copper w0.3: 65.45,31.315 66.2,32.065 66.2,35.19
  Bottom Copper w0.3: J205.9@28.586,40.08 28.726,39.94 29.7,39.94 33.2,36.44 64.95,36.44 66.2,35.19
GPIO_025_D9: J204.12 | length 8.5
  Top Copper w0.3: 40.95,67.315 42.02,66.245 42.02,63.54
  Bottom Copper w0.3: 42.02,63.54 42.02,62.473 43.42,61.073 J204.12@43.42,59.79
GPIO_25_D16: J205.10 | length 5.4
  Top Copper w0.3: 25.7,39.94 27.575,39.94
  Bottom Copper w0.3: J205.10@22.186,40.08 22.326,39.94 25.7,39.94
GPIO_26_D15: J205.11 | length 2.6
  Top Copper w0.3: 27.45,36.815 27.45,37.815 27.575,37.94
  Bottom Copper w0.3: 27.45,36.815 28.175,37.54 J205.11@28.586,37.54
GPIO_026_E11: J204.13 | length 13.5
  Top Copper w0.3: 38.95,66.065 40.2,64.815 40.2,61.64 40.88,60.96 40.88,54.94
  Bottom Copper w0.3: J204.13@40.88,53.39 40.88,54.94
GPIO_27_D14: J205.12 | length 7.4
  Top Copper w0.3: 26.844,33.34 27.269,33.765 27.4,33.765 27.575,33.94
  Bottom Copper w0.3: J205.12@22.186,37.54 22.636,37.54 26.836,33.34 26.844,33.34
GPIO_027_E10: J204.14 | length 8.4
  Top Copper w0.3: 36.95,66.065 38.325,64.69 39.2,64.69
  Bottom Copper w0.3: 39.2,64.69 39.2,61.92 40.88,60.24 J204.14@40.88,59.79
GPIO_028_C11: J204.15 | length 9.4
  Top Copper w0.3: 38.34,54.94 38.95,55.55 38.95,62.565
  Bottom Copper w0.3: J204.15@38.34,53.39 38.34,54.94
GPIO_28_F15: J205.13 | length 2.6
  Top Copper w0.3: 27.1,35 27.1,35.465 27.575,35.94
  Bottom Copper w0.3: 27.1,35 J205.13@28.586,35
GPIO_029_B11: J204.16 | length 3.4
  Top Copper w0.3: 36.95,62.565 38.325,61.19 38.34,61.19
  Bottom Copper w0.3: J204.16@38.34,59.79 38.34,61.19
GPIO_29_F16: J205.14
GPIO_030_A12: J204.17 | length 9.5
  Top Copper w0.3: 34.95,62.565 34.95,55.79 35.8,54.94
  Bottom Copper w0.3: J204.17@35.8,53.39 35.8,54.94
GPIO_031_D11: J204.18 | length 6.6
  Top Copper w0.3: 34.95,66.065 35.8,65.215 35.8,61.19
  Bottom Copper w0.3: J204.18@35.8,59.79 35.8,61.19
GPIO_032_D12: J204.19 | length 10.1
  Top Copper w0.3: 30.95,62.565 30.95,56.15 32.165,54.935
  Bottom Copper w0.3: 32.165,54.935 33.26,53.84 J204.19@33.26,53.39
GPIO_033_B12: J204.20 | length 7.2
  Top Copper w0.3: 30.95,66.065 31.95,65.065 31.95,63.815
  Bottom Copper w0.3: 31.95,63.815 31.95,61.55 33.26,60.24 J204.20@33.26,59.79
GPIO_110_P11: J203.15 | length 5.2
  Top Copper w0.3: 46.7,18.065 47.6,18.065
  Bottom Copper w0.3: 47.6,18.065 50.035,18.065 51.04,17.06 J203.15@51.04,16.61
GPIO_111_R10: J203.16 | length 5.2
  Top Copper w0.3: 48.7,12.84 48.7,13.815
  Bottom Copper w0.3: 48.7,12.84 49.787,12.84 51.04,11.587 J203.16@51.04,10.21
GPIO_112_N12: J203.17 | length 2.6
  Top Copper w0.3: 51.9,16.84 51.925,16.815 52.7,16.815
  Bottom Copper w0.3: 51.9,16.84 53.35,16.84 J203.17@53.58,16.61
GPIO_113_P9: J203.18 | length 8.6
  Top Copper w0.3: 48.7,16.815 48.7,16.765 49.8,15.665 49.8,15.565
  Bottom Copper w0.3: 49.8,15.565 53.58,11.785 J203.18@53.58,10.21
GPIO_114_N9: J203.19 | length 3.4
  Top Copper w0.3: 54.7,16.815 55.7,17.815 55.7,18.14
  Bottom Copper w0.3: 55.7,18.14 56.12,17.72 J203.19@56.12,16.61
GPIO_115_N11: J203.20 | length 8.9
  Top Copper w0.3: 50.7,16.815 50.7,16.765 51.7,15.765 51.7,15.065
  Bottom Copper w0.3: 51.7,15.065 51.715,15.065 56.12,10.66 J203.20@56.12,10.21
GPIO_116_L16: J201.1 | length 2.7
  Top Copper w0.3: 57.77,18.065 58.66,18.065
  Bottom Copper w0.3: 57.745,18.04 58.66,17.125 J201.1@58.66,16.61
GPIO_117_K16: J201.2 | length 3.6
  Top Copper w0.3: 58.66,12.94 58.66,13.815
  Bottom Copper w0.3: J201.2@58.66,10.21 58.66,12.94
GPIO_118_R16: J201.3 | length 7.4
  Top Copper w0.3: 54.7,15.065 55.7,15.065
  Bottom Copper w0.3: 55.7,15.065 60.025,15.065 61.2,16.24 J201.3@61.2,16.61
GPIO_119_L15: J201.4 | length 3.8
  Top Copper w0.3: 60.7,12.94 60.7,13.815
  Bottom Copper w0.3: 60.7,12.94 60.7,12.84 61.2,12.34 J201.4@61.2,10.21
GPIO_120_P15: J201.5 | length 22.8
  Top Copper w0.3: 54.7,2.315 54.7,1.74 55,1.44 58.982,1.44 59.375,1.833 59.375,5.865 60.3,6.79 60.3,11.54 61.375,12.615 61.375,14.861 61.8,15.286 61.8,15.34
  Bottom Copper w0.3: 61.8,15.34 62.92,15.34 63.74,16.16 J201.5@63.74,16.61
GPIO_121_P16: J201.6 | length 13.3
  Top Copper w0.3: 52.7,15.065 52.7,15.03 53.7,14.03
  Bottom Copper w0.3: 53.7,14.03 54.263,13.467 60.933,13.467 63.74,10.66 J201.6@63.74,10.21
GPIO_122_R14: J201.7 | length 11
  Top Copper w0.3: 56.7,18.065 57.5,18.865 57.95,18.865
  Bottom Copper w0.3: 57.95,18.865 58.975,18.865 59.6,18.24 63.899,18.24 64.914,17.225 65.98,17.225 66.28,16.925 J201.7@66.28,16.61
GPIO_123_N16: J201.8 | length 13.8
  Top Copper w0.3: 55.7,14.03 55.7,14.065 56.7,15.065
  Bottom Copper w0.3: 55.7,14.03 55.742,13.988 61.707,13.988 64.155,11.54 65.35,11.54 66.28,10.61 J201.8@66.28,10.21
GPIO_124_N15: J201.11 | length 10.7
  Top Copper w0.3: 62.7,18.065 62.7,18.865
  Bottom Copper w0.3: 62.7,18.865 63.826,18.865 64.724,17.967 70.453,17.967 71.36,17.06 J201.11@71.36,16.61
GPIO_125_P14: J201.12 | length 12.3
  Top Copper w0.3: 62,14.44 62.075,14.44 62.7,15.065
  Bottom Copper w0.3: 62,14.44 64.4,12.04 70,12.04 71.36,10.68 J201.12@71.36,10.21
GPIO_126_L14: J201.13 | length 10.7
  Top Copper w0.3: 64.7,18.065 65.5,18.865
  Bottom Copper w0.3: 65.5,18.865 72.095,18.865 73.9,17.06 J201.13@73.9,16.61
GPIO_127_N14: J201.14 | length 11.5
  Top Copper w0.3: 64.7,15.065 65.225,15.065 65.45,14.84
  Bottom Copper w0.3: 65.45,14.84 69.72,14.84 73.9,10.66 J201.14@73.9,10.21
GPIO_128_M10: J201.15 | length 6.5
  Top Copper w0.3: 72.325,15.94 72.325,15.99 73.15,16.815
  Bottom Copper w0.3: 72.325,15.94 73.125,15.14 75.4,15.14 76.44,16.18 J201.15@76.44,16.61
GPIO_129_L13: J201.16 | length 9.3
  Top Copper w0.3: 74.7,3.565 74.855,3.565 76.45,5.16 76.45,8.19 77.95,9.69
  Bottom Copper w0.3: J201.16@76.44,10.21 77.43,10.21 77.95,9.69
GPIO_130_J16: J201.17 | length 2.8
  Top Copper w0.3: 77.2,15.065 77.2,15.658 78.13,16.588
  Bottom Copper w0.3: 78.13,16.588 78.958,16.588 J201.17@78.98,16.61
GPIO_131_K15: J201.18 | length 7.6
  Top Copper w0.3: 78.7,3.565 79.575,4.44 79.575,8.315 79.95,8.69
  Bottom Copper w0.3: J201.18@78.98,10.21 78.98,9.66 79.95,8.69
GPIO_132_J13: J201.19 | length 4.1
  Top Copper w0.3: 83.7,16.84 83.725,16.815 84.7,16.815
  Bottom Copper w0.3: J201.19@81.52,16.61 81.52,16.17 81.7,15.99 82.85,15.99 83.7,16.84
GPIO_133_J14: J201.20 | length 7.5
  Top Copper w0.3: 84.7,13.815 85.675,13.815 85.7,13.79
  Bottom Copper w0.3: J201.20@81.52,10.21 83.47,10.21 85.7,12.44 85.7,13.79
GPIO_210_F14: J205.15 | length 4.4
  Top Copper w0.3: 28.825,29.94 29.696,29.94 29.946,30.19 30,30.19
  Bottom Copper w0.3: J205.15@28.586,32.46 29.036,32.46 30,31.496 30,30.19
GPIO_211_G16: J205.16 | length 5.5
  Top Copper w0.3: 23.325,27.95 23.325,28.965 23.9,29.54
  Bottom Copper w0.3: J205.16@22.186,32.46 22.186,31.704 23.9,29.99 23.9,29.54
GPIO_212_G15: J205.17 | length 5
  Top Copper w0.3: 28.825,27.95 29.71,27.95 30.6,28.84 30.6,29.54
  Bottom Copper w0.3: J205.17@28.586,29.92 29.07,29.92 29.45,29.54 30.6,29.54
I2C1_SCL: J209.3 | length 48.3
  Top Copper w0.3: 62.95,66.065 62.95,63.765 63.848,62.867 63.848,53.792 65.05,52.59 65.05,44.245 68.33,40.965 68.33,30.995 67.45,30.115 67.45,30.015 67.8,29.665 67.8,24.8 70.305,22.295 J209.3@70.305,21.59
I2C1_SDA: J209.4 | length 42.6
  Top Copper w0.3: 64.95,66.065 64.95,63.765 64.275,63.09 64.275,53.984 67.51,50.749 67.51,42.389 68.757,41.142 68.757,30.808 69.45,30.115 69.45,30.015 69.035,29.6 J209.4@69.035,26.09
I2C2_SCL:  | length 22.9
  Top Copper w0.3: 38.95,67.315 39.575,67.315 39.95,66.94 ; 56.925,64.015 56.925,66.065 57.062,66.202 57.912,66.202 57.95,66.24
  Bottom Copper w0.3: 39.95,66.94 40.45,66.44 52.2,66.44 52.45,66.69 54.5,66.69 55.027,66.163 57.873,66.163 57.95,66.24
I2C2_SDA:  | length 20.7
  Top Copper w0.3: 36.95,67.315 36.95,67.295 37.555,66.69 37.95,66.69 ; 54.177,66.163 54.827,66.163 54.925,66.065 54.925,64.015
  Bottom Copper w0.3: 37.95,66.69 38.622,66.018 52.653,66.018 52.798,66.163 54.177,66.163
IRQ_FPGA: J203.10 | length 10.4
  Top Copper w0.3: 44.1,9.04 46.8,9.04 48.7,7.14 48.7,3.565
  Bottom Copper w0.3: J203.10@43.42,10.21 43.42,9.72 44.1,9.04
LED_CLAVIER: J229.1 | length 3.3
  Top Copper w0.3: 44.7,3.565 44.7,3.615 45.645,4.56 J229.1@45.645,6.49
MOT1_CS: J213.7 | length 4.6
  Top Copper w0.3: 8.7,2.315 13,2.315 J213.7@13.225,2.09
MOT1_DIR: J213.4 | length 39
  Top Copper w0.3: J213.4@17.035,6.59 17.13,6.495 17.13,4.64 ; 44.7,13.815 45.475,13.815 45.5,13.79
  Bottom Copper w0.3: 17.13,4.64 43.299,4.64 45.017,6.358 45.017,13.283 45.5,13.766 45.5,13.79
MOT1_PWM: J213.3 | length 41.6
  Top Copper w0.3: 18.3,4.01 18.305,4.005 J213.3@18.305,2.09 ; 45.96,15.04 45.985,15.065 46.7,15.065
  Bottom Copper w0.3: 18.3,4.01 18.335,4.045 44.692,4.045 47.2,6.553 47.2,11.62 46.027,12.793 46.027,14.973 45.96,15.04
MOT2_CS: J213.8 | length 3.2
  Top Copper w0.3: 8.7,6.565 J213.8@11.93,6.565
MOT2_DIR: J213.6 | length 44.5
  Top Copper w0.3: J213.6@14.495,6.59 14.495,4.645 14.5,4.64 ; 45.1,15.94 45.975,16.815 46.7,16.815
  Bottom Copper w0.3: 14.5,4.64 15.027,5.167 29.101,5.167 29.178,5.09 43.197,5.09 44.627,6.52 44.627,15.423 45.1,15.896 45.1,15.94
MOT2_PWM: J213.5 | length 44.3
  Top Copper w0.3: J213.5@15.765,2.09 15.765,3.975 15.8,4.01 ; 47.8,11.7 47.8,14.115 48.7,15.015 48.7,15.065
  Bottom Copper w0.3: 15.8,4.01 16.327,3.483 41.491,3.483 41.663,3.655 44.854,3.655 47.59,6.391 47.59,11.436 47.8,11.646 47.8,11.7
nDATA_DYNA: U208.1 | length 2.7
  Top Copper w0.3: U208.1@96.925,17.79 97.25,17.79 97.775,18.315 ; 97.825,18.94 97.775,18.89 97.775,18.315 ; 98.45,17.565 98.45,17.64 97.775,18.315
NetC205_1: J206.2 | length 13.4
  Top Copper w0.3: J206.2@68.82,47.7 70.05,46.47 70.05,44.04 69.45,43.44 69.45,42.82
  Top Copper w0.5: 69.45,42.82 70.05,42.82 70.406,42.464 70.406,40.684 71.55,39.54 71.55,38.84 71.55,38.09 70.85,37.39 70.85,36.54
NetC207_1: J208.1 | length 13.9
  Top Copper w0.5: 67.05,17.44 68.85,17.44 68.85,15.29 68.9,15.24 ; 68.45,13.865 69.2,13.865
  Top Copper w0.8: J208.1@68.675,6.49 68.8,6.615 68.8,12.14 69.2,12.54 69.2,13.865 69.2,14.49 68.9,14.79 68.9,15.24
NetC211_1: J209.1 | length 14.1
  Top Copper w0.5: 71.55,33.94 72.95,33.94 72.95,32.64 73.275,32.315 73.275,30.69 73.26,30.675 73.26,29 72.95,28.69 72.95,23.99 72.845,23.885 J209.1@72.845,21.59
NetC213_1:  | length 2.8
  Top Copper w0.3: 29.16,9.41 29.16,9.46 29.61,9.91 30.335,9.91 31.06,9.91 31.51,9.46 31.51,9.41
NetC225_1: U202.3 | length 4.4
  Top Copper w0.8: 23.45,10.54 23.548,10.638 23.548,12.127 ; 23.562,12.241 23.562,12.582 24.9,13.92 U202.3@24.9,14.49
NetC226_1: U202.2 U202.4 | length 10.6
  Top Copper w0.8: 21.425,10.64 21.598,10.813 21.598,12.838 22.6,13.84 U202.2@22.6,14.49 U202.4@22.6,20.79
NetC228_1: U203.3 | length 4.5
  Top Copper w0.8: 15.75,10.561 15.75,12.049 15.912,12.211 ; 15.862,12.261 15.862,12.602 17.2,13.94 U203.3@17.2,14.51
NetC229_1: U203.2 U203.4 | length 13
  Top Copper w0.8: 13.625,10.661 13.65,10.686 13.65,11.811 13.85,12.011 13.85,12.211 ; 13.9,12.261 13.9,12.461 14.55,13.111 14.55,14.16 U203.2@14.9,14.51 14.835,14.575 14.835,16.205 12.7,18.34 12.7,19.51 14,20.81 U203.4@14.9,20.81
NetC278_1:  | length 4.8
  Top Copper w0.3: 7.305,36.45 7.23,36.375 7.23,34.95 7.23,33.525 7.305,33.45 7.432,33.323 7.432,31.716
NetC281_1:  | length 4.8
  Top Copper w0.3: 21.305,36.43 21.23,36.355 21.23,34.93 21.23,33.505 21.305,33.43 21.433,33.303 21.433,31.696
NetC282_1:  | length 4.7
  Top Copper w0.3: 14.23,36.355 14.23,34.93 14.23,33.505 14.305,33.43 14.433,33.302 14.433,31.696
NetC284_1:  | length 4.7
  Top Copper w0.3: 3.73,36.395 3.73,34.97 3.73,33.545 3.805,33.47 3.933,33.342 3.933,31.736
NetC287_1:  | length 4.7
  Top Copper w0.3: 17.73,36.355 17.73,34.93 17.73,33.505 17.805,33.43 17.933,33.303 17.933,31.696
NetC288_1:  | length 4.7
  Top Copper w0.3: 10.73,36.355 10.73,34.93 10.73,33.505 10.805,33.43 10.933,33.302 10.933,31.696
NetD203_1: D203.1 U200.23 | length 7.7
  Top Copper w0.3: D203.1@0.995,9.159 1.738,9.902 ; U200.23@2.73,14.68 2.78,14.63 3.493,14.63 3.949,14.174 3.949,14.068 3.987,14.03
  Bottom Copper w0.3: 1.738,9.902 1.738,11.781 3.987,14.03
NetD203_2: D203.2 | length 1.3
  Top Copper w0.3: D203.2@0.995,10.759 0.995,12.105
NetD204_1: D204.1 U200.22 | length 8.7
  Top Copper w0.3: D204.1@0.995,20.759 1.9,20.759 ; U200.22@2.73,15.33 2.78,15.28 3.806,15.28 3.946,15.14 4,15.14
  Bottom Copper w0.3: 1.9,20.759 1.9,17.327 4,15.227 4,15.14
NetD204_2: D204.2 | length 3.6
  Top Copper w0.3: 0.995,15.955 0.995,16.005 0.476,16.524 0.476,18.64 D204.2@0.995,19.159
NRST: J221.13 | length 4.7
  Top Copper w0.3: 50.938,66.065 51.45,65.553 51.45,64.69
  Bottom Copper w0.3: 51.45,64.69 52.2,63.94 52.95,63.94 53.58,63.31 J221.13@53.58,62.88
NRST_NUCLEO: J229.3 | length 110.1
  Top Copper w0.3: 29.7,67.44 30.564,68.304 49.999,68.304 50.938,67.365 50.938,67.315 ; 42.5,8.44 42.5,7.095 J229.3@43.105,6.49
  Bottom Copper w0.25: 29.7,67.44 19.225,56.965 19.225,30.063 19.407,29.881 19.407,25.833 21.5,23.74 24.775,23.74 27.015,21.5 43.069,21.5 44.429,20.14 44.429,15.821 42.5,13.891 42.5,8.44
PA0: J221.27 | length 6.8
  Top Copper w0.3: 66.95,64.69 66.95,66.065
  Bottom Copper w0.3: 66.95,64.69 67.4,64.24 70.4,64.24 71.36,63.28 J221.27@71.36,62.88